# KiCad board BalloonMotherboardV4.1.kicad_pcb
note: AISLER Project ID: TLGQIMXQ
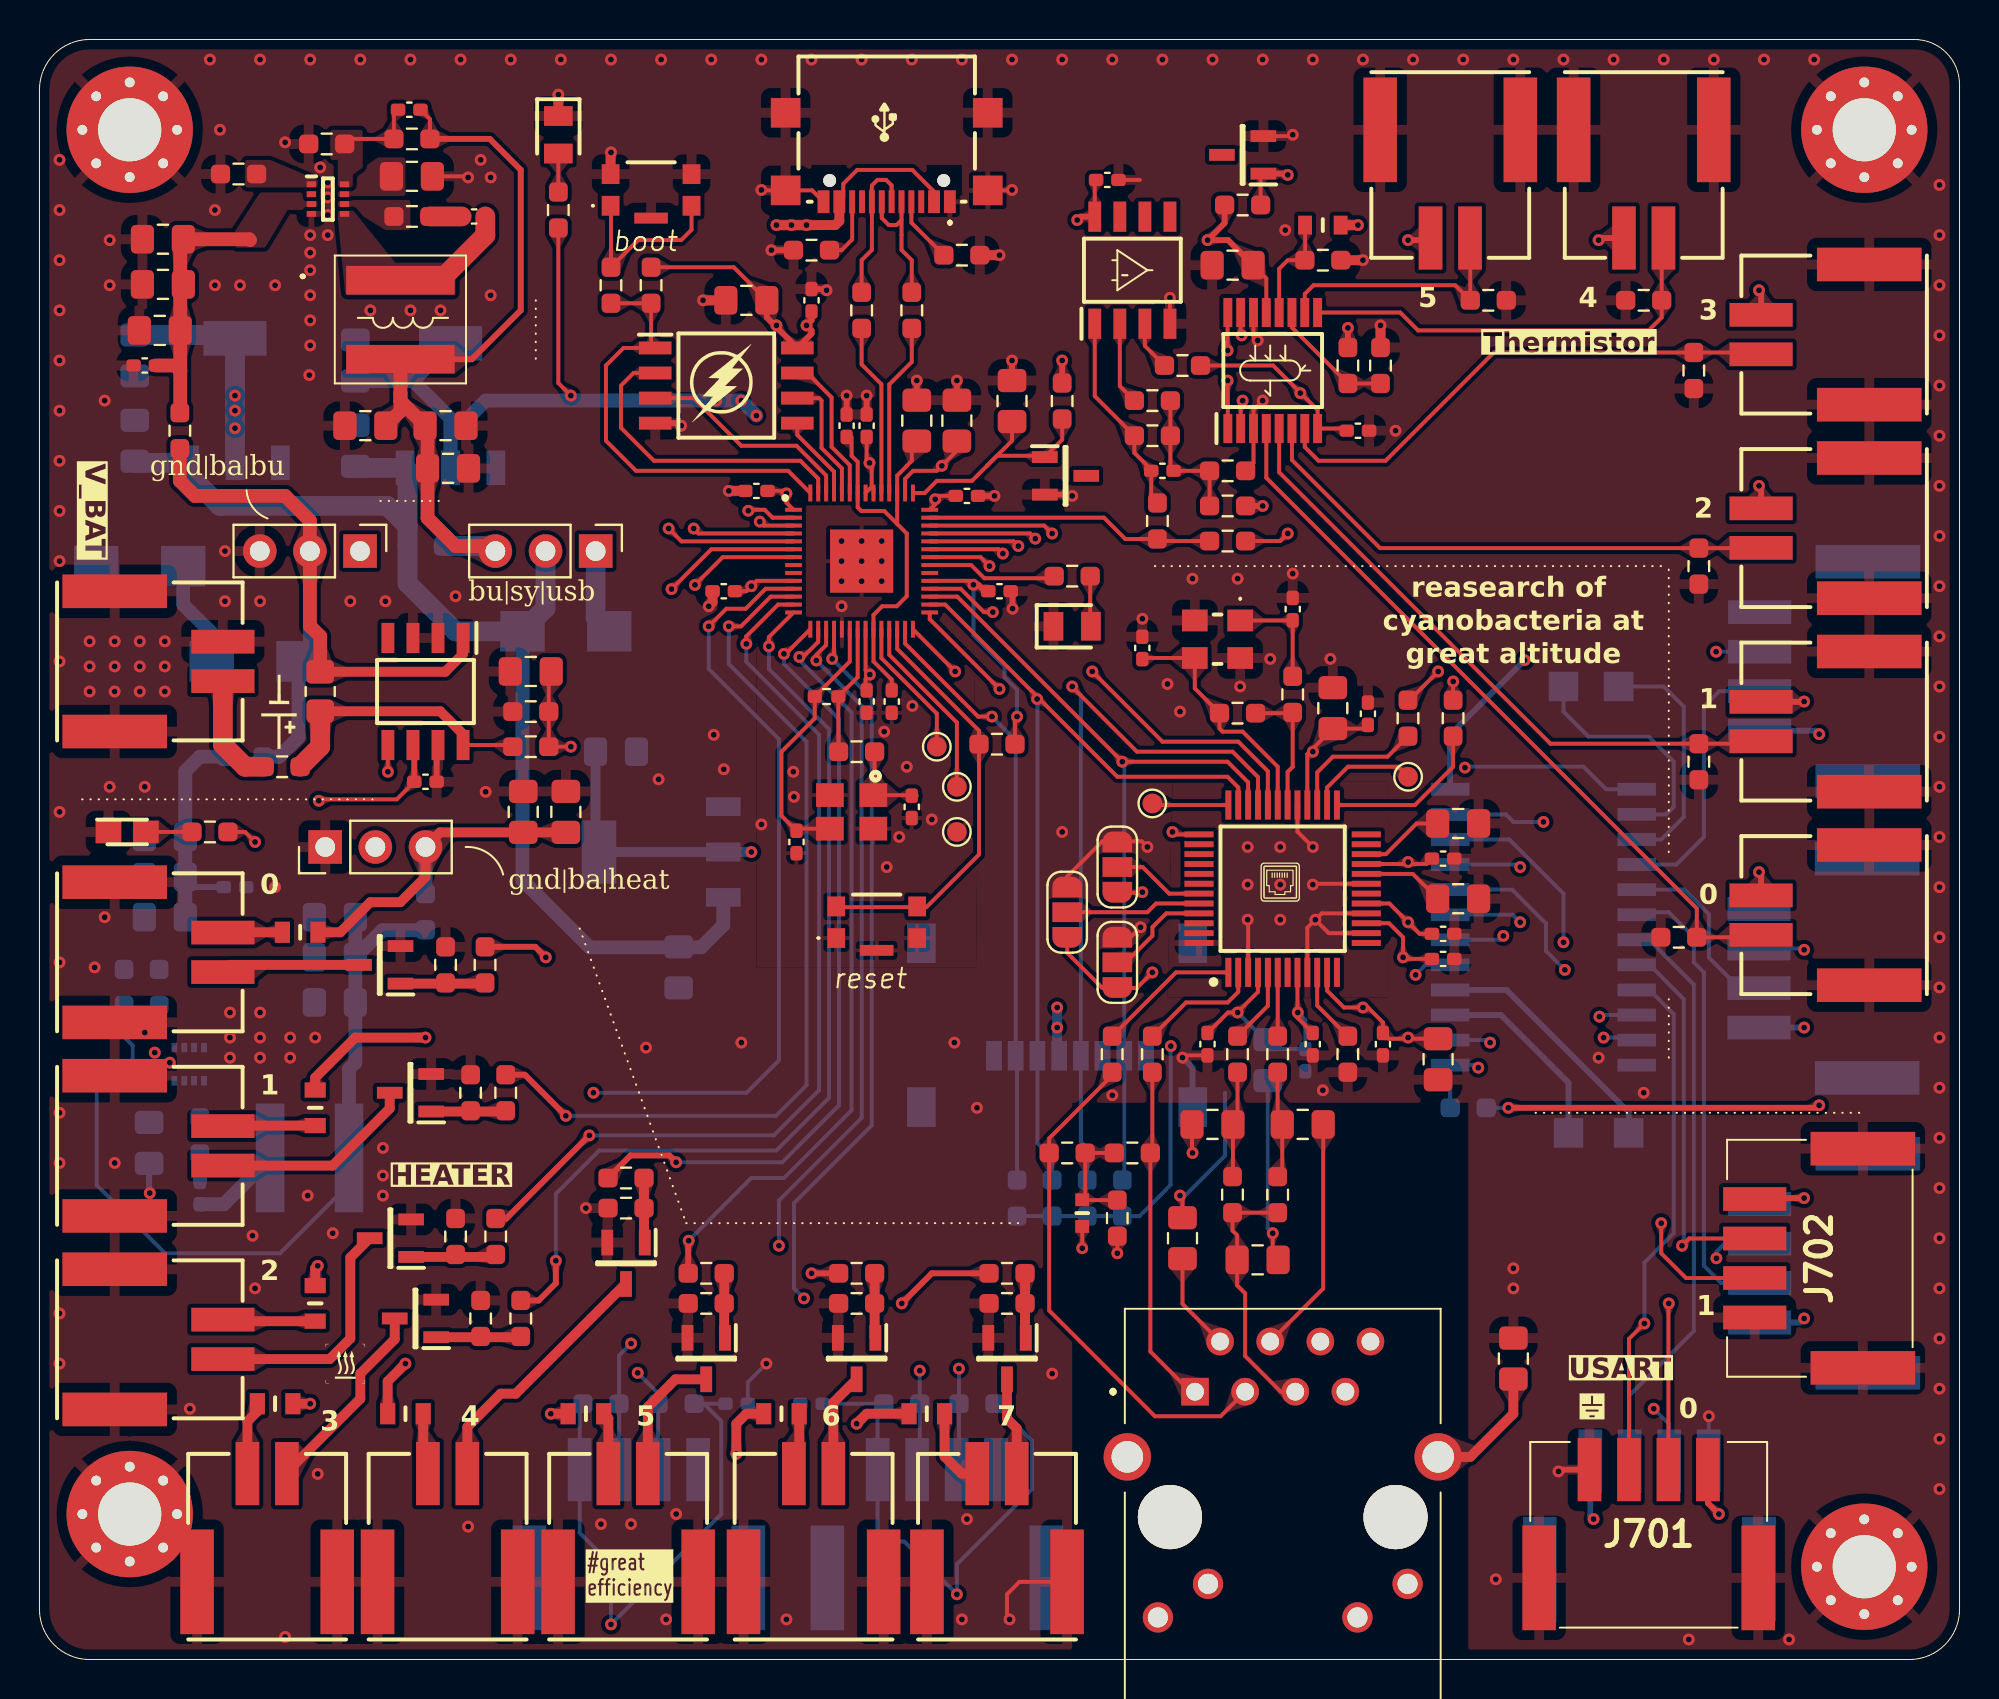
[diagram p0: board, top side]
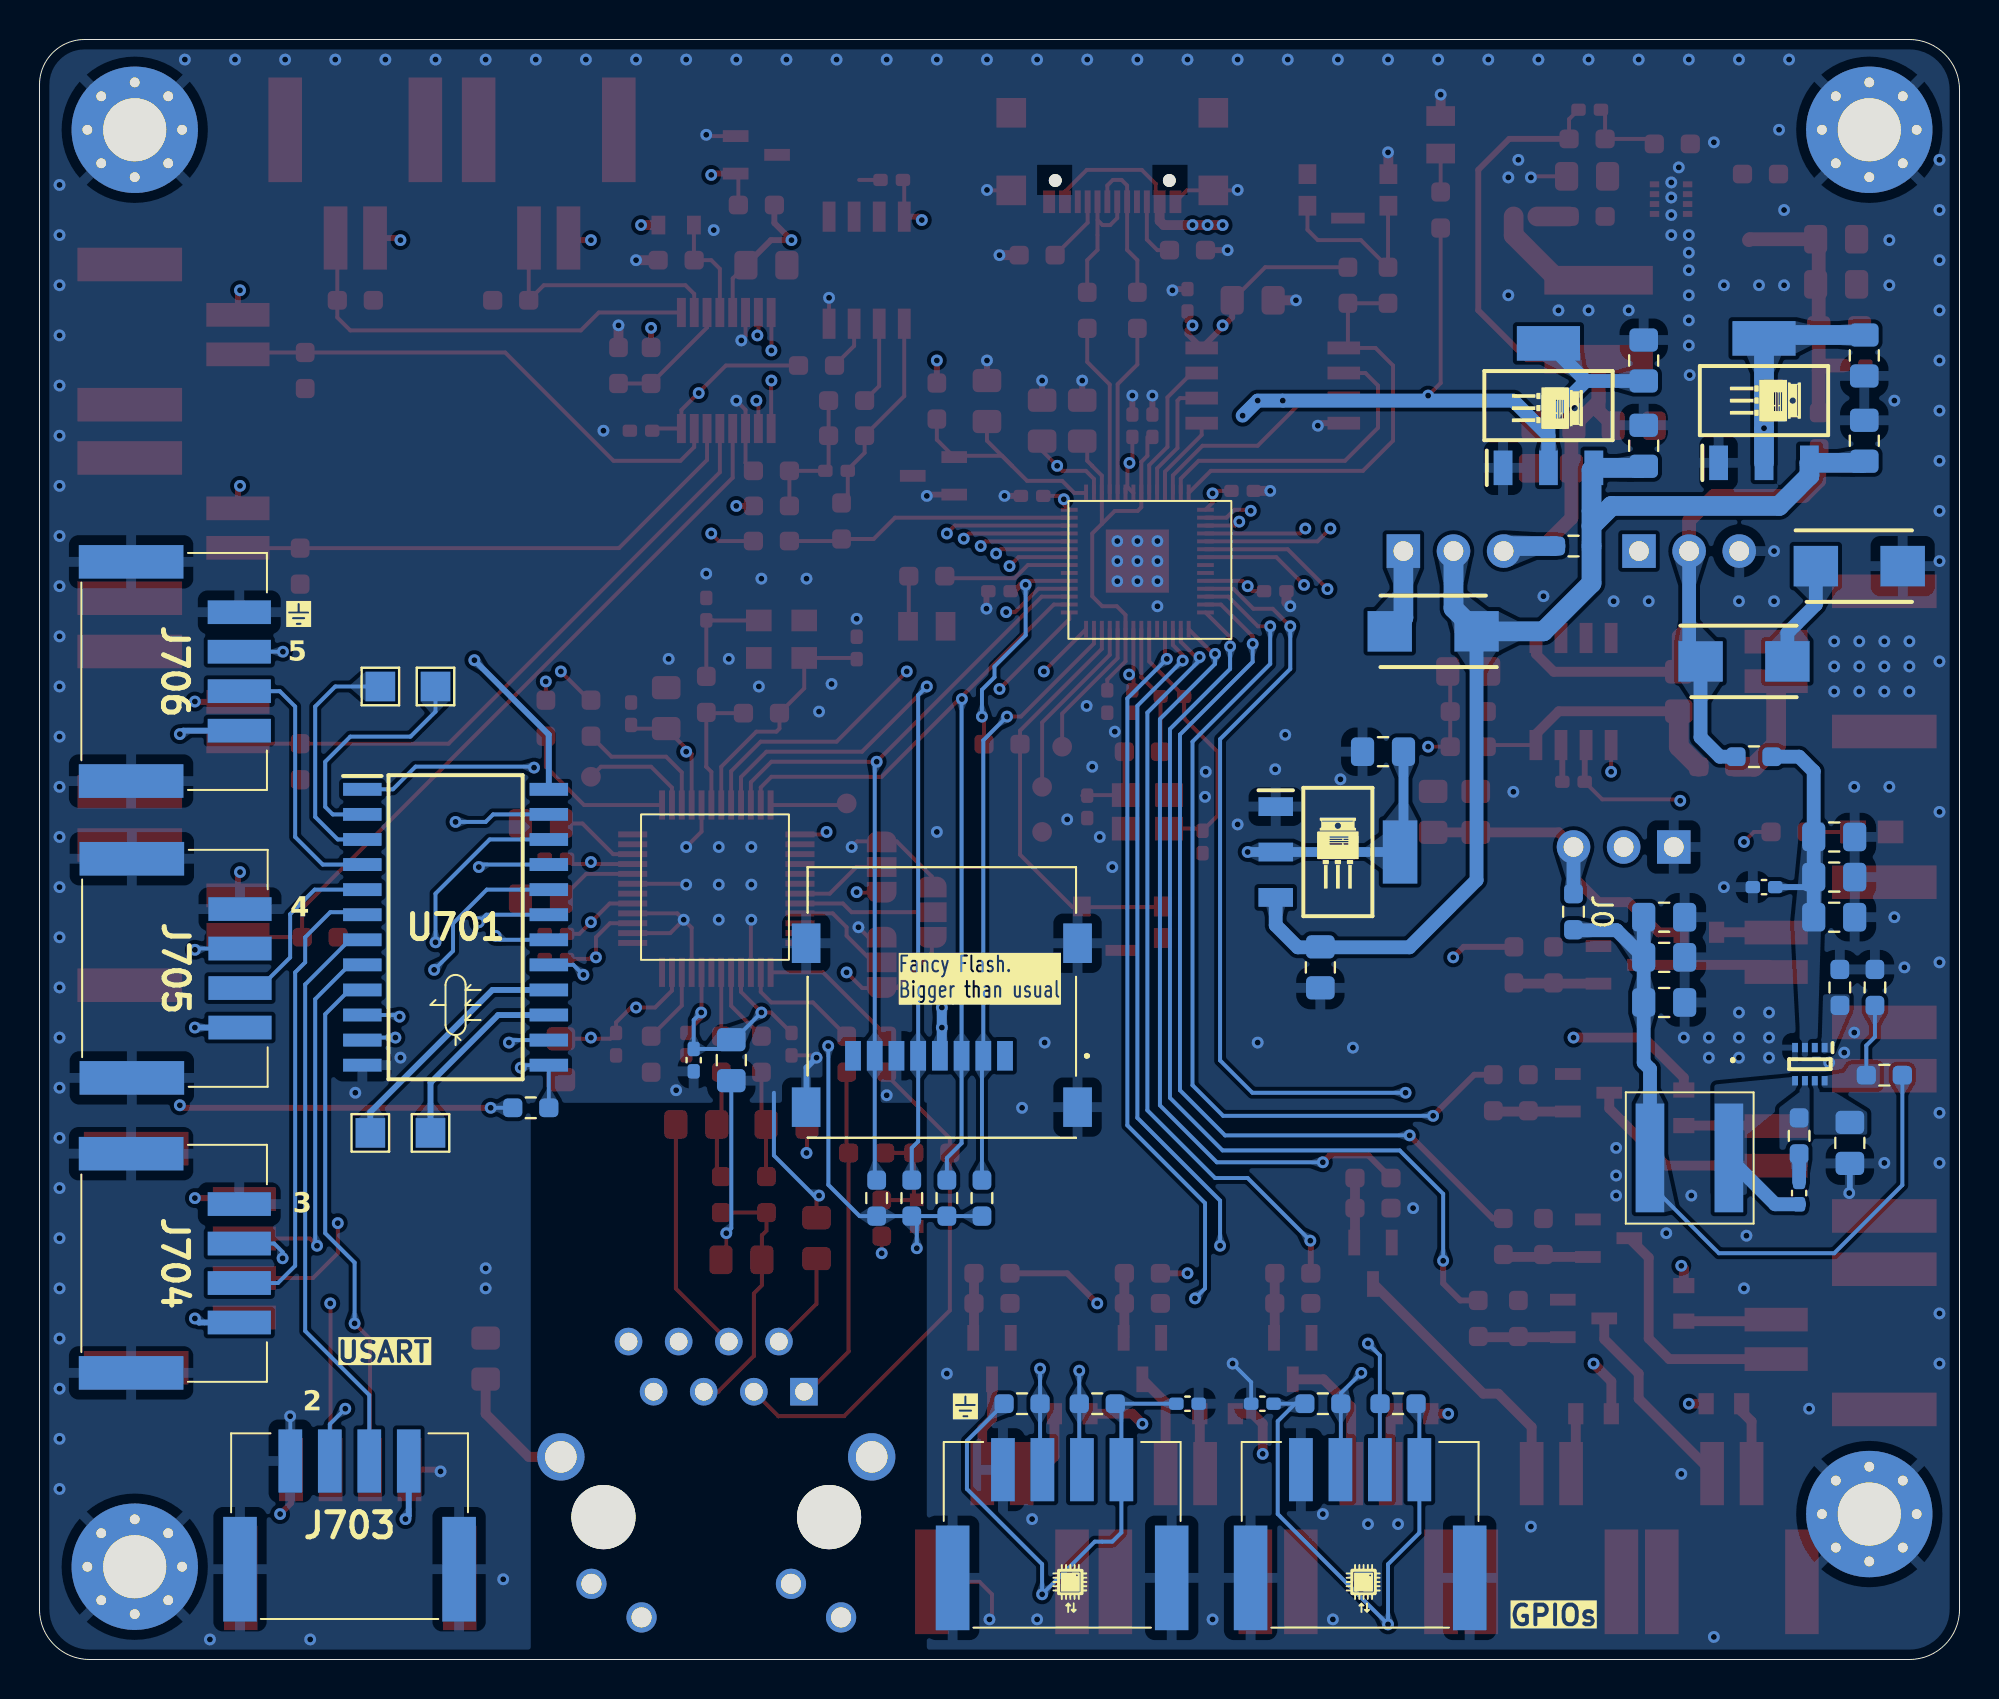
[diagram p1: board, bottom side, seen from below]

Outline 97.28 x 82.04 mm; copper layers: Top, In1.Cu, In2.Cu, Bottom. Coordinates in mm from the lower left corner of the outline.
Outline path: 0,79.5 0,2.54 arc(0.74,0.74) 2.54,0 94.74,0 arc(96.54,0.74) 97.28,2.54 97.28,79.76 arc(96.61,81.37) 95,82.04 2.54,82.04 arc(0.74,81.3) 0,79.5
Stack: Top 0.035mm / dielectric 0.1mm FR4 er 4.5 / In1.Cu 0.035mm / dielectric 1.24mm FR4 er 4.5 / In2.Cu 0.035mm / dielectric 0.1mm FR4 er 4.5 / Bottom 0.035mm

## Placement (name value [footprint] x y rotation side)
5sys0  APTD2012LCGCK  [LEDC2012X120N]  52.32 52.32 0 top
5sys201  APTD2012LCGCK  [LEDC2012X120N]  26.29 77.22 270 top
bat201  APTD2012LSURCK  [LEDM2012X120N]  4.45 41.91 0 top
BUCK201  TPS62933DRLR  [SOTFL50P160X60-8N]  14.62 73.96 0 top
BUCK601  TPS62933DRLR  [SOTFL50P160X60-8N]  7.58 30.15 270 bottom
BuckJmp201  Conn_01x03  [PinHeader_1x03_P2.54mm_Vertical]  16.24 56.13 270 top
BuckJmp601  Conn_01x03  [PinHeader_1x03_P2.54mm_Vertical]  14.48 41.15 90 top
C201  0.1u  [C_0402_1005Metric_Pad0.74x0.62mm_HandSolder]  22.02 73.08 180 top
C202  10u  [C_0805_2012Metric_Pad1.18x1.45mm_HandSolder]  16 61.47 270 bottom
C203  10u  [C_0805_2012Metric_Pad1.18x1.45mm_HandSolder]  16 65.79 270 bottom
C204  10u/30V  [C_0805_2012Metric_Pad1.18x1.45mm_HandSolder]  6.1 67.31 0 top
C205  DNP  [C_0805_2012Metric_Pad1.18x1.45mm_HandSolder]  6.25 69.64 0 top
C206  DNP  [C_0805_2012Metric_Pad1.18x1.45mm_HandSolder]  6.25 71.93 0 top
C207  0.1u/30V  [C_0402_1005Metric_Pad0.74x0.62mm_HandSolder]  5.33 65.53 0 top
C208  DNP  [C_0402_1005Metric_Pad0.74x0.62mm_HandSolder]  18.74 78.49 180 top
C209  33n  [C_0805_2012Metric_Pad1.18x1.45mm_HandSolder]  18.87 75.11 180 top
C210  22u  [C_0805_2012Metric_Pad1.18x1.45mm_HandSolder]  20.57 62.48 180 top
C211  22u  [C_0805_2012Metric_Pad1.18x1.45mm_HandSolder]  16.51 62.48 0 top
C212  DNP  [C_0805_2012Metric_Pad1.18x1.45mm_HandSolder]  20.7 60.33 180 top
C213  10u  [C_0805_2012Metric_Pad1.18x1.45mm_HandSolder]  32.38 35.05 90 bottom
C214  10u  [C_0805_2012Metric_Pad1.18x1.45mm_HandSolder]  29.21 45.97 180 bottom
C215  0.1u  [C_0402_1005Metric_Pad0.74x0.62mm_HandSolder]  19.56 44.45 180 top
C216  10u  [C_0805_2012Metric_Pad1.18x1.45mm_HandSolder]  4.83 61.72 270 bottom
C217  10u  [C_0805_2012Metric_Pad1.18x1.45mm_HandSolder]  4.83 66.04 90 bottom
C218  DNP  [C_0805_2012Metric_Pad1.18x1.45mm_HandSolder]  24.89 50.04 0 top  (not fitted)
C301  2u2  [C_0805_2012Metric_Pad1.18x1.45mm_HandSolder]  35.81 68.83 0 top
C302  0.1uF  [C_0402_1005Metric_Pad0.74x0.62mm_HandSolder]  39.12 68.83 90 top
C303  0.1u  [C_0402_1005Metric_Pad0.74x0.62mm_HandSolder]  36.32 59.18 180 top
C304  2u2  [C_0805_2012Metric_Pad1.18x1.45mm_HandSolder]  44.45 62.74 270 top
C305  0.1u  [C_0402_1005Metric_Pad0.74x0.62mm_HandSolder]  41.91 62.48 90 top
C306  0.1u  [C_0402_1005Metric_Pad0.74x0.62mm_HandSolder]  34.67 54.1 180 top
C307  2u2  [C_0805_2012Metric_Pad1.18x1.45mm_HandSolder]  46.48 62.74 90 top
C308  2u2  [C_0805_2012Metric_Pad1.18x1.45mm_HandSolder]  49.28 63.73 90 top
C309  0.1u  [C_0402_1005Metric_Pad0.74x0.62mm_HandSolder]  41.91 48.51 270 top
C310  0.1u  [C_0402_1005Metric_Pad0.74x0.62mm_HandSolder]  48.64 54.1 0 top
C311  0.1u  [C_0402_1005Metric_Pad0.74x0.62mm_HandSolder]  46.99 58.93 0 top
C312  0.1u  [C_0402_1005Metric_Pad0.74x0.62mm_HandSolder]  35.32 12.95 0 bottom
C313  0.1u  [C_0402_1005Metric_Pad0.74x0.62mm_HandSolder]  40.89 62.48 90 top
C314  0.1u  [C_0402_1005Metric_Pad0.74x0.62mm_HandSolder]  43.18 48.51 270 top
C315  0.1u  [C_0402_1005Metric_Pad0.74x0.62mm_HandSolder]  39.12 12.95 180 bottom
C316  15p 5%  [C_0402_1005Metric_Pad0.74x0.62mm_HandSolder]  38.35 41.4 270 top
C317  15p 5%  [C_0402_1005Metric_Pad0.74x0.62mm_HandSolder]  44.2 43.18 270 top
C401  10u  [C_0805_2012Metric_Pad1.18x1.45mm_HandSolder]  60.45 70.61 180 top
C402  DNP  [C_0402_1005Metric_Pad0.74x0.62mm_HandSolder]  56.9 60.2 0 top
C403  0.1uF  [C_0402_1005Metric_Pad0.74x0.62mm_HandSolder]  54.1 74.93 180 top
C404  10n  [C_0402_1005Metric_Pad0.74x0.62mm_HandSolder]  66.8 62.23 180 top
C501  2u2  [C_0805_2012Metric_Pad1.18x1.45mm_HandSolder]  62.23 30.35 90 bottom
C502  0.1u  [C_0402_1005Metric_Pad0.74x0.62mm_HandSolder]  64.13 30.35 270 bottom
C503  0.1u  [C_0402_1005Metric_Pad0.74x0.62mm_HandSolder]  59.18 31.16 90 top
C504  0.1u  [C_0402_1005Metric_Pad0.74x0.62mm_HandSolder]  64.51 31.16 90 top
C505  0.1u  [C_0402_1005Metric_Pad0.74x0.62mm_HandSolder]  68.07 31.16 90 top
C506  0.1u  [C_0402_1005Metric_Pad0.74x0.62mm_HandSolder]  71.12 36.75 180 top
C507  0.1u  [C_0402_1005Metric_Pad0.74x0.62mm_HandSolder]  71.12 40.56 180 top
C508  0.1u  [C_0402_1005Metric_Pad0.74x0.62mm_HandSolder]  71.12 35.48 180 top
C509  10uF/16V  [C_0805_2012Metric_Pad1.18x1.45mm_HandSolder]  70.86 30.4 90 top
C510  18p  [C_0402_1005Metric_Pad0.74x0.62mm_HandSolder]  55.88 51.23 270 top
C511  18p  [C_0402_1005Metric_Pad0.74x0.62mm_HandSolder]  63.5 53.19 270 top
C512  0.1u  [C_0402_1005Metric_Pad0.74x0.62mm_HandSolder]  67.31 47.9 270 top
C513  10uF/16V  [C_0805_2012Metric_Pad1.18x1.45mm_HandSolder]  65.53 48.18 270 top
C514  22nF  [C_0805_2012Metric_Pad1.18x1.45mm_HandSolder]  57.91 21.34 270 top
C515  6.8n  [C_0805_2012Metric_Pad1.18x1.45mm_HandSolder]  64 27.1 180 top
C516  1nF/200V  [C_0805_2012Metric_Pad1.18x1.45mm_HandSolder]  74.68 15.24 270 top
C517  6.8n  [C_0805_2012Metric_Pad1.18x1.45mm_HandSolder]  59.43 27.1 0 top
C518  10n  [C_0805_2012Metric_Pad1.18x1.45mm_HandSolder]  71.88 42.34 180 top
C519  4.7u  [C_0805_2012Metric_Pad1.18x1.45mm_HandSolder]  71.88 38.53 180 top
C520  10n  [C_0805_2012Metric_Pad1.18x1.45mm_HandSolder]  61.72 20.24 0 top
C601  0.1u  [C_0402_1005Metric_Pad0.74x0.62mm_HandSolder]  8.13 23.62 90 bottom
C604  1u/30V DNP  [C_0805_2012Metric_Pad1.18x1.45mm_HandSolder]  26.67 42.93 270 top
C605  0.1u/30V DNP  [C_0805_2012Metric_Pad1.18x1.45mm_HandSolder]  24.51 42.93 90 top
C606  DNP  [C_0805_2012Metric_Pad1.18x1.45mm_HandSolder]  6.35 41.66 0 bottom
C607  DNP  [C_0805_2012Metric_Pad1.18x1.45mm_HandSolder]  6.35 39.62 0 bottom
C608  10u/30V  [C_0805_2012Metric_Pad1.18x1.45mm_HandSolder]  6.35 37.59 0 bottom
C609  0.1u/30V  [C_0402_1005Metric_Pad0.74x0.62mm_HandSolder]  9.91 39.12 180 bottom
C610  33n  [C_0805_2012Metric_Pad1.18x1.45mm_HandSolder]  5.56 26.16 90 bottom
C611  22u  [C_0805_2012Metric_Pad1.18x1.45mm_HandSolder]  14.96 33.27 0 bottom
C612  22u  [C_0805_2012Metric_Pad1.18x1.45mm_HandSolder]  14.96 35.56 0 bottom
C613  DNP  [C_0805_2012Metric_Pad1.18x1.45mm_HandSolder]  14.96 37.59 0 bottom
D201  RBR2LB60BTBR1  [DIOM5336X245N]  26.67 52.07 0 bottom
D202  RBR2LB60BTBR1  [DIOM5336X245N]  10.92 50.55 180 bottom
D203  RBR2LB60BTBR1  [DIOM5336X245N]  5.08 55.37 180 bottom
F601  MF-FSML100_8-2  [FUSC1608X70N]  37.59 12.45 0 top
F602  MF-FSML100_8-2  [FUSC1608X70N]  13.97 27.94 270 top
F603  MF-FSML100_8-2  [FUSC1608X70N]  18.54 12.45 180 top
F604  MF-FSML100_8-2  [FUSC1608X70N]  27.69 12.45 0 top
F605  MF-FSML100_8-2  [FUSC1608X70N]  13.97 18.03 270 top
F606  MF-FSML100_8-2  [FUSC1608X70N]  11.94 12.95 180 top
F607  MF-FSML100_8-2  [FUSC1608X70N]  13.21 36.83 180 top
F608  MF-FSML100_8-2  [FUSC1608X70N]  44.96 12.45 0 top
FB501  BLM18SP102SZ1D  [BLM18SP221SN1B]  52.83 22.61 270 top
FLA301  W25Q128JVS  [SOIC127P790X216-8N]  34.8 64.52 0 top
G***  LOGO  [Logo]  76.33 59.69 0 top
G***#2  -  [LOGO]  15.49 14.99 0 top
G***#3  -  [LOGO]  12.19 48.01 270 top
G***#4  -  [LOGO]  34.49 64.89 0 top
G***#5  -  [LOGO]  62.87 39.37 0 top
G***#6  -  [LOGO]  42.8 77.85 0 top
G***#7  -  [LOGO]  20.83 63.37 270 bottom
G***#8  -  [LOGO]  9.78 63.75 270 bottom
G***#9  -  [LOGO]  45.09 3.56 270 bottom
G***#10  -  [LOGO]  31.5 40.89 180 bottom
G***#11  -  [LOGO]  30.23 3.56 270 bottom
GPIO301  502352-0400  [5023520400]  30.37 6.35 180 bottom
GPIO302  502352-0400  [5023520400]  45.47 6.35 180 bottom
H0_M101  MountingHole  [MountingHole_3.2mm_M3_Pad_Via]  4.57 77.47 0 top
H2_M101  MountingHole  [MountingHole_3.2mm_M3_Pad_Via]  92.46 77.47 0 top
H2_M102  MountingHole  [MountingHole_3.2mm_M3_Pad_Via]  92.46 4.7 0 top
H3_M101  MountingHole  [MountingHole_3.2mm_M3_Pad_Via]  4.57 7.37 0 top
HEAT_CON601  502352-0200  [5023520200]  39.22 10.41 0 top
HEAT_CON602  502352-0200  [5023520200]  10.29 26.01 270 top
HEAT_CON603  502352-0200  [5023520200]  20.68 10.41 0 top
HEAT_CON604  502352-0200  [5023520200]  29.82 10.41 0 top
HEAT_CON605  502352-0200  [5023520200]  10.29 16.21 270 top
HEAT_CON606  502352-0200  [5023520200]  11.54 10.41 0 top
HEAT_CON607  502352-0200  [5023520200]  10.29 35.81 270 top
HEAT_CON608  502352-0200  [5023520200]  48.51 10.41 0 top
IC201  INA240A3EDRQ1  [SOIC127P600X175-8N]  19.56 49.02 270 top
inrushcurrentlimit201  -  [R_0603_1608Metric_Pad0.98x0.95mm_HandSolder]  12.3 45.21 180 top
J0  0  [R_0603_1608Metric_Pad0.98x0.95mm_HandSolder]  19.56 37.87 270 bottom
J5  0  [R_0603_1608Metric_Pad0.98x0.95mm_HandSolder]  56.39 63.75 180 top
J6  0  [R_0603_1608Metric_Pad0.98x0.95mm_HandSolder]  57.91 65.53 0 top
J7  0  [R_0603_1608Metric_Pad0.98x0.95mm_HandSolder]  56.64 57.66 90 top
J201  0  [R_0603_1608Metric_Pad0.98x0.95mm_HandSolder]  19.56 56.39 0 bottom
J401  0  [R_0603_1608Metric_Pad0.98x0.95mm_HandSolder]  60.2 56.64 0 top
J501  -  [J1B1211CCD]  62.99 7.11 0 top
J701  502352-0400  [5023520400]  81.53 6.35 0 top
J702  502352-0400  [5023520400]  90.17 20.32 90 top
J703  502352-0400  [5023520400]  81.57 6.79 180 bottom
J704  502352-0400  [5023520400]  90.42 20.07 270 bottom
J705  502352-0400  [5023520400]  90.39 35 270 bottom
J706  502352-0400  [5023520400]  90.42 50.04 270 bottom
JB_or_U201  Conn_01x03  [PinHeader_1x03_P2.54mm_Vertical]  28.18 56.13 270 top
JH501  Jumper_3_Bridged12  [SolderJumper-3_P1.3mm_Open_RoundedPad1.0x1.5mm_NumberLabels]  54.61 35.31 90 top
JH502  Jumper_3_Bridged12  [SolderJumper-3_P1.3mm_Open_RoundedPad1.0x1.5mm_NumberLabels]  52.07 37.85 90 top
JH503  Jumper_3_Bridged12  [SolderJumper-3_P1.3mm_Open_RoundedPad1.0x1.5mm_NumberLabels]  54.61 40.13 90 top
L101  InstaLogo  [insta]  78.87 70.87 0 top
L201  -  [74439346068]  18.29 67.85 0 top
L601  -  [74439346068]  13.68 25.4 270 bottom
LAN501  W5500  [QFP50P900X900X160-48N]  62.99 39.04 90 top
LRlan201  NCP1117ST33T3G  [SOT230P700X180-4N]  31.5 40.89 180 bottom
LRre201  NCP1117ST33T3G  [SOT230P700X180-4N]  9.91 63.75 90 bottom
LRuC201  NCP1117ST33T3G  [SOT230P700X180-4N]  20.83 63.5 90 bottom
MUX401  TMUX1108PWR  [SOP65P640X120-16N]  62.48 65.28 90 top
NTC401  502352-0200  [5023520200]  86.23 37.7 90 top
NTC402  502352-0200  [5023520200]  86.23 57.3 90 top
NTC403  502352-0200  [5023520200]  81.28 70.99 180 top
NTC404  502352-0200  [5023520200]  86.23 47.5 90 top
NTC405  502352-0200  [5023520200]  86.23 67.1 90 top
NTC406  502352-0200  [5023520200]  71.48 70.99 180 top
OP401  OPA2377AID  [SOIC127P600X175-8N]  55.37 70.36 90 top
Q601  IRLML6344TRPBF  [SOT95P237X112-3N]  41.4 15.24 270 top
Q602  IRLML6344TRPBF  [SOT95P237X112-3N]  18.8 28.7 180 top
Q603  IRLML6344TRPBF  [SOT95P237X112-3N]  29.72 20.07 270 top
Q604  IRLML6344TRPBF  [SOT95P237X112-3N]  33.78 15.24 270 top
Q605  IRLML6344TRPBF  [SOT95P237X112-3N]  17.78 21.34 180 top
Q606  IRLML6344TRPBF  [SOT95P237X112-3N]  19.05 17.27 180 top
Q607  IRLML6344TRPBF  [SOT95P237X112-3N]  17.24 35.18 180 top
Q608  IRLML6344TRPBF  [SOT95P237X112-3N]  49.02 15.24 270 top
R0  510  [R_0603_1608Metric_Pad0.98x0.95mm_HandSolder]  52.32 54.86 180 top
R201  0  [R_0603_1608Metric_Pad0.98x0.95mm_HandSolder]  18.87 73.08 0 top
R202  64.9k  [R_0603_1608Metric_Pad0.98x0.95mm_HandSolder]  18.87 77.01 0 top
R203  DNP  [R_0603_1608Metric_Pad0.98x0.95mm_HandSolder]  10.08 75.23 180 top
R204  10k  [R_0603_1608Metric_Pad0.98x0.95mm_HandSolder]  14.55 76.75 0 top
R205  12.4k 1%  [R_0603_1608Metric_Pad0.98x0.95mm_HandSolder]  8.64 41.91 0 top
R206  510  [R_0603_1608Metric_Pad0.98x0.95mm_HandSolder]  26.29 73.41 270 top
R207  100k  [R_0603_1608Metric_Pad0.98x0.95mm_HandSolder]  24.89 46.23 0 top
R208  10k  [R_0603_1608Metric_Pad0.98x0.95mm_HandSolder]  24.89 48.01 180 top
R209  10  [R_0603_1608Metric_Pad0.98x0.95mm_HandSolder]  7.11 62.23 270 top
R301  10k but unessesary  [R_0603_1608Metric_Pad0.98x0.95mm_HandSolder]  30.99 69.6 270 top
R302  27  [R_0603_1608Metric_Pad0.98x0.95mm_HandSolder]  41.66 68.33 270 top
R303  27  [R_0603_1608Metric_Pad0.98x0.95mm_HandSolder]  44.2 68.33 270 top
R304  1k  [R_0603_1608Metric_Pad0.98x0.95mm_HandSolder]  28.96 69.6 90 top
R305  150  [R_0603_1608Metric_Pad0.98x0.95mm_HandSolder]  51.82 63.73 270 top
R306  5.1k  [R_0603_1608Metric_Pad0.98x0.95mm_HandSolder]  48.51 46.36 180 top
R307  5.1k 1%  [R_0603_1608Metric_Pad0.98x0.95mm_HandSolder]  32.26 12.95 0 bottom
R308  5.1k 1%  [R_0603_1608Metric_Pad0.98x0.95mm_HandSolder]  28.45 12.95 180 bottom
R309  5.1k 1%  [R_0603_1608Metric_Pad0.98x0.95mm_HandSolder]  47.5 12.95 0 bottom
R310  5.1k 1%  [R_0603_1608Metric_Pad0.98x0.95mm_HandSolder]  43.69 12.95 180 bottom
R311  no fit  [R_0402_1005Metric_Pad0.72x0.64mm_HandSolder]  39.88 48.77 0 top
R312  1k  1%  [R_0603_1608Metric_Pad0.98x0.95mm_HandSolder]  41.4 45.97 180 top
R313  5.1k  [R_0603_1608Metric_Pad0.98x0.95mm_HandSolder]  46.74 71.12 180 top
R314  5.1k  [R_0603_1608Metric_Pad0.98x0.95mm_HandSolder]  39.12 71.37 0 top
R401  10k  [R_0603_1608Metric_Pad0.98x0.95mm_HandSolder]  66.29 65.53 90 top
R402  5.1k  [R_0603_1608Metric_Pad0.98x0.95mm_HandSolder]  83.06 36.58 180 top
R403  5.1k  [R_0603_1608Metric_Pad0.98x0.95mm_HandSolder]  84.07 45.47 270 top
R404  5.1k  [R_0603_1608Metric_Pad0.98x0.95mm_HandSolder]  84.07 55.37 270 top
R405  5.1k  [R_0603_1608Metric_Pad0.98x0.95mm_HandSolder]  83.82 65.28 270 top
R406  5.1k  [R_0603_1608Metric_Pad0.98x0.95mm_HandSolder]  81.28 68.83 180 top
R407  5.1k  [R_0603_1608Metric_Pad0.98x0.95mm_HandSolder]  73.41 68.83 0 top
R408  5.1k  [R_0603_1608Metric_Pad0.98x0.95mm_HandSolder]  65.02 70.87 0 top
R409  5.1k  [R_0603_1608Metric_Pad0.98x0.95mm_HandSolder]  67.94 65.53 90 top
R410  51k  [R_0603_1608Metric_Pad0.98x0.95mm_HandSolder]  60.2 58.42 180 top
R411  10k  [R_0603_1608Metric_Pad0.98x0.95mm_HandSolder]  56.39 61.98 0 top
R412  150  [R_0603_1608Metric_Pad0.98x0.95mm_HandSolder]  60.96 73.66 0 top
R413  10k  [R_0603_1608Metric_Pad0.98x0.95mm_HandSolder]  60.2 60.2 180 top
R501  10k  [R_0603_1608Metric_Pad0.98x0.95mm_HandSolder]  54.86 23.37 270 bottom
R502  10k  [R_0603_1608Metric_Pad0.98x0.95mm_HandSolder]  53.09 23.37 270 bottom
R503  10k  [R_0603_1608Metric_Pad0.98x0.95mm_HandSolder]  51.31 23.37 270 bottom
R504  10k  [R_0603_1608Metric_Pad0.98x0.95mm_HandSolder]  49.53 23.37 270 bottom
R505  1M  [R_0603_1608Metric_Pad0.98x0.95mm_HandSolder]  60.7 47.93 180 top
R506  0R  [R_0603_1608Metric_Pad0.98x0.95mm_HandSolder]  63.5 48.88 270 top
R507  0R  [R_0603_1608Metric_Pad0.98x0.95mm_HandSolder]  56.38 30.65 90 top
R508  49R9 1%  [R_0603_1608Metric_Pad0.98x0.95mm_HandSolder]  52.07 25.65 0 top
R509  49R9 1%  [R_0603_1608Metric_Pad0.98x0.95mm_HandSolder]  55.37 25.65 180 top
R510  10R 1%  [R_0603_1608Metric_Pad0.98x0.95mm_HandSolder]  54.61 22.35 90 top
R511  510  [R_0603_1608Metric_Pad0.98x0.95mm_HandSolder]  71.62 47.67 90 top
R512  12.4k 1%  [R_0603_1608Metric_Pad0.98x0.95mm_HandSolder]  66.29 30.65 90 top
R513  0R  [R_0603_1608Metric_Pad0.98x0.95mm_HandSolder]  54.35 30.65 90 top
R514  510  [R_0603_1608Metric_Pad0.98x0.95mm_HandSolder]  69.34 47.67 90 top
R515  0R  [R_0603_1608Metric_Pad0.98x0.95mm_HandSolder]  62.73 30.65 90 top
R516  0R  [R_0603_1608Metric_Pad0.98x0.95mm_HandSolder]  60.7 30.65 90 top
R517  49R9 1%  [R_0603_1608Metric_Pad0.98x0.95mm_HandSolder]  62.73 23.54 90 top
R518  49R9 1%  [R_0603_1608Metric_Pad0.98x0.95mm_HandSolder]  60.45 23.54 90 top
R601  0  [R_0603_1608Metric_Pad0.98x0.95mm_HandSolder]  8.13 26.52 270 bottom
R602  64.9k  [R_0603_1608Metric_Pad0.98x0.95mm_HandSolder]  3.81 29.59 180 bottom
R603  10  [R_0603_1608Metric_Pad0.98x0.95mm_HandSolder]  10.41 45.72 0 bottom
R604  DNP  [R_0603_1608Metric_Pad0.98x0.95mm_HandSolder]  6.06 34.04 90 bottom
R605  10k  [R_0603_1608Metric_Pad0.98x0.95mm_HandSolder]  4.29 34.04 270 bottom
R607  220  [R_0603_1608Metric_Pad0.98x0.95mm_HandSolder]  41.4 19.56 0 top
R608  220  [R_0603_1608Metric_Pad0.98x0.95mm_HandSolder]  23.62 28.7 270 top
R609  220  [R_0603_1608Metric_Pad0.98x0.95mm_HandSolder]  29.72 24.38 0 top
R610  220  [R_0603_1608Metric_Pad0.98x0.95mm_HandSolder]  33.78 19.56 0 top
R611  220  [R_0603_1608Metric_Pad0.98x0.95mm_HandSolder]  23.11 21.42 270 top
R612  100k  [R_0603_1608Metric_Pad0.98x0.95mm_HandSolder]  41.4 18.03 0 top
R613  220  [R_0603_1608Metric_Pad0.98x0.95mm_HandSolder]  24.38 17.27 270 top
R614  100k  [R_0603_1608Metric_Pad0.98x0.95mm_HandSolder]  21.84 28.7 270 top
R615  100k  [R_0603_1608Metric_Pad0.98x0.95mm_HandSolder]  29.72 22.86 0 top
R616  100k  [R_0603_1608Metric_Pad0.98x0.95mm_HandSolder]  33.78 18.03 0 top
R617  100k  [R_0603_1608Metric_Pad0.98x0.95mm_HandSolder]  21.08 21.42 270 top
R618  100k  [R_0603_1608Metric_Pad0.98x0.95mm_HandSolder]  22.35 17.27 270 top
R619  220  [R_0603_1608Metric_Pad0.98x0.95mm_HandSolder]  22.58 35.18 270 top
R620  220  [R_0603_1608Metric_Pad0.98x0.95mm_HandSolder]  49.02 19.56 0 top
R621  100k  [R_0603_1608Metric_Pad0.98x0.95mm_HandSolder]  20.57 35.18 270 top
R622  100k  [R_0603_1608Metric_Pad0.98x0.95mm_HandSolder]  49.02 18.03 0 top
R701  10k  [R_0603_1608Metric_Pad0.98x0.95mm_HandSolder]  72.39 27.94 180 bottom
R_shunt201  10mOhm  [R_0805_2012Metric_Pad1.20x1.40mm_HandSolder]  14.22 49.02 270 top
RT401  NTCGS163JF103FT8  [THRMC1608X90N]  65.02 72.64 0 top
S_BOOT301  -  [435441019830]  30.99 74.42 180 top
S_RES301  -  [435441019830]  42.42 37.34 180 top
SD501  -  [693072010801]  51.56 33.27 180 bottom
TP301  TestPoint  [TestPoint_Pad_D1.0mm]  45.47 46.23 90 top
TP302  TestPoint  [TestPoint_Pad_D1.0mm]  46.48 44.2 90 top
TP303  TestPoint  [TestPoint_Pad_D1.0mm]  46.48 41.91 90 top
TP501  TestPoint  [TestPoint_Pad_D1.0mm]  56.38 43.35 90 top
TP502  TestPoint  [TestPoint_Pad_D1.0mm]  69.34 44.7 0 top
TP701  TestPoint  [TestPoint_Pad_1.5x1.5mm]  80.01 49.28 180 bottom
TP702  TestPoint  [TestPoint_Pad_1.5x1.5mm]  80.52 26.67 180 bottom
TP703  TestPoint  [TestPoint_Pad_1.5x1.5mm]  77.22 49.28 270 bottom
TP704  TestPoint  [TestPoint_Pad_1.5x1.5mm]  77.47 26.67 180 bottom
U701  CD4097B  [SOIC127P1030X265-24N]  76.2 37.08 180 bottom
uC301  SC0914_7_  [QFN40P700X700X90-57N-D]  41.66 55.63 0 top
USB_C301  -  [GSB1C41110SSHR]  42.93 77.22 180 top
V_BAT201  502352-0200  [5023520200]  10.29 50.55 270 top
Vref301  LM4040BIM3-3.0_NOPB  [SOT95P237X112-3N]  51.99 59.94 0 top
Vref401  LM4040BIM3-3.0_NOPB  [SOT95P237X112-3N]  60.96 76.2 180 top
Y301  ABM8G-12.000MHZ-4Y-T3  [ABM8G]  41.15 42.93 180 top